# KiCad board ergodonk_simple_0.kicad_pcb
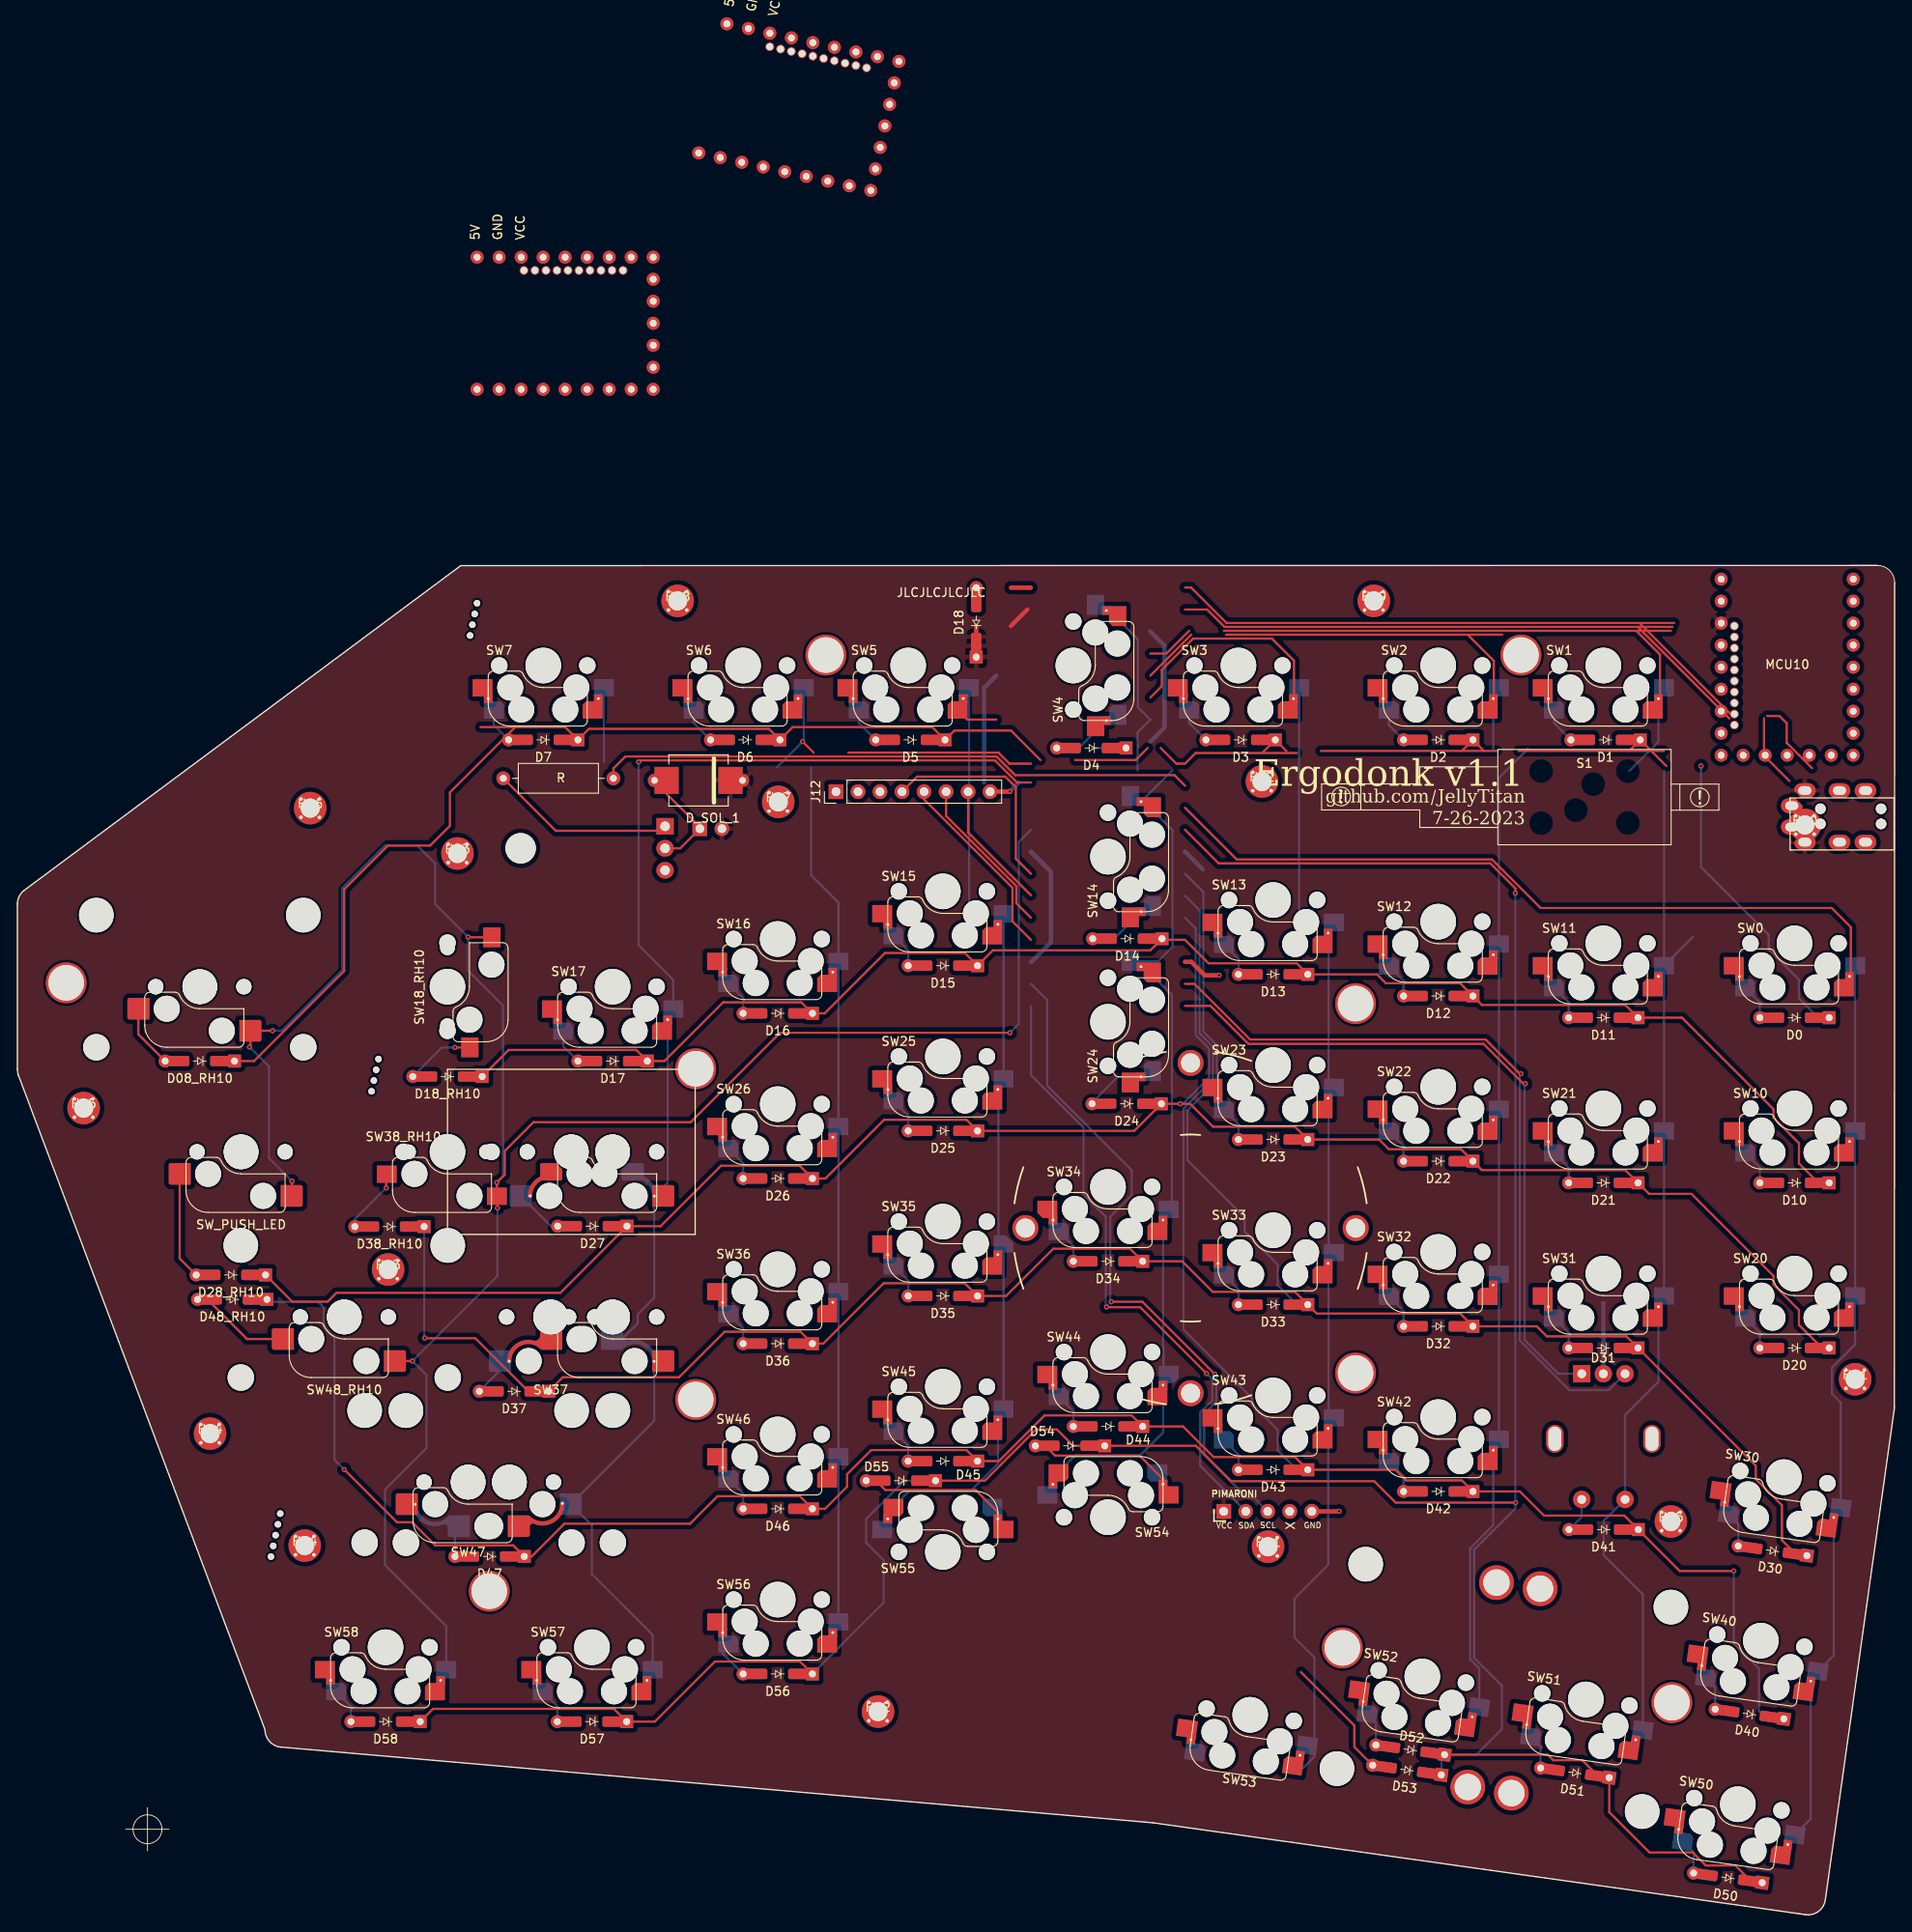
[diagram p0: board, top side]
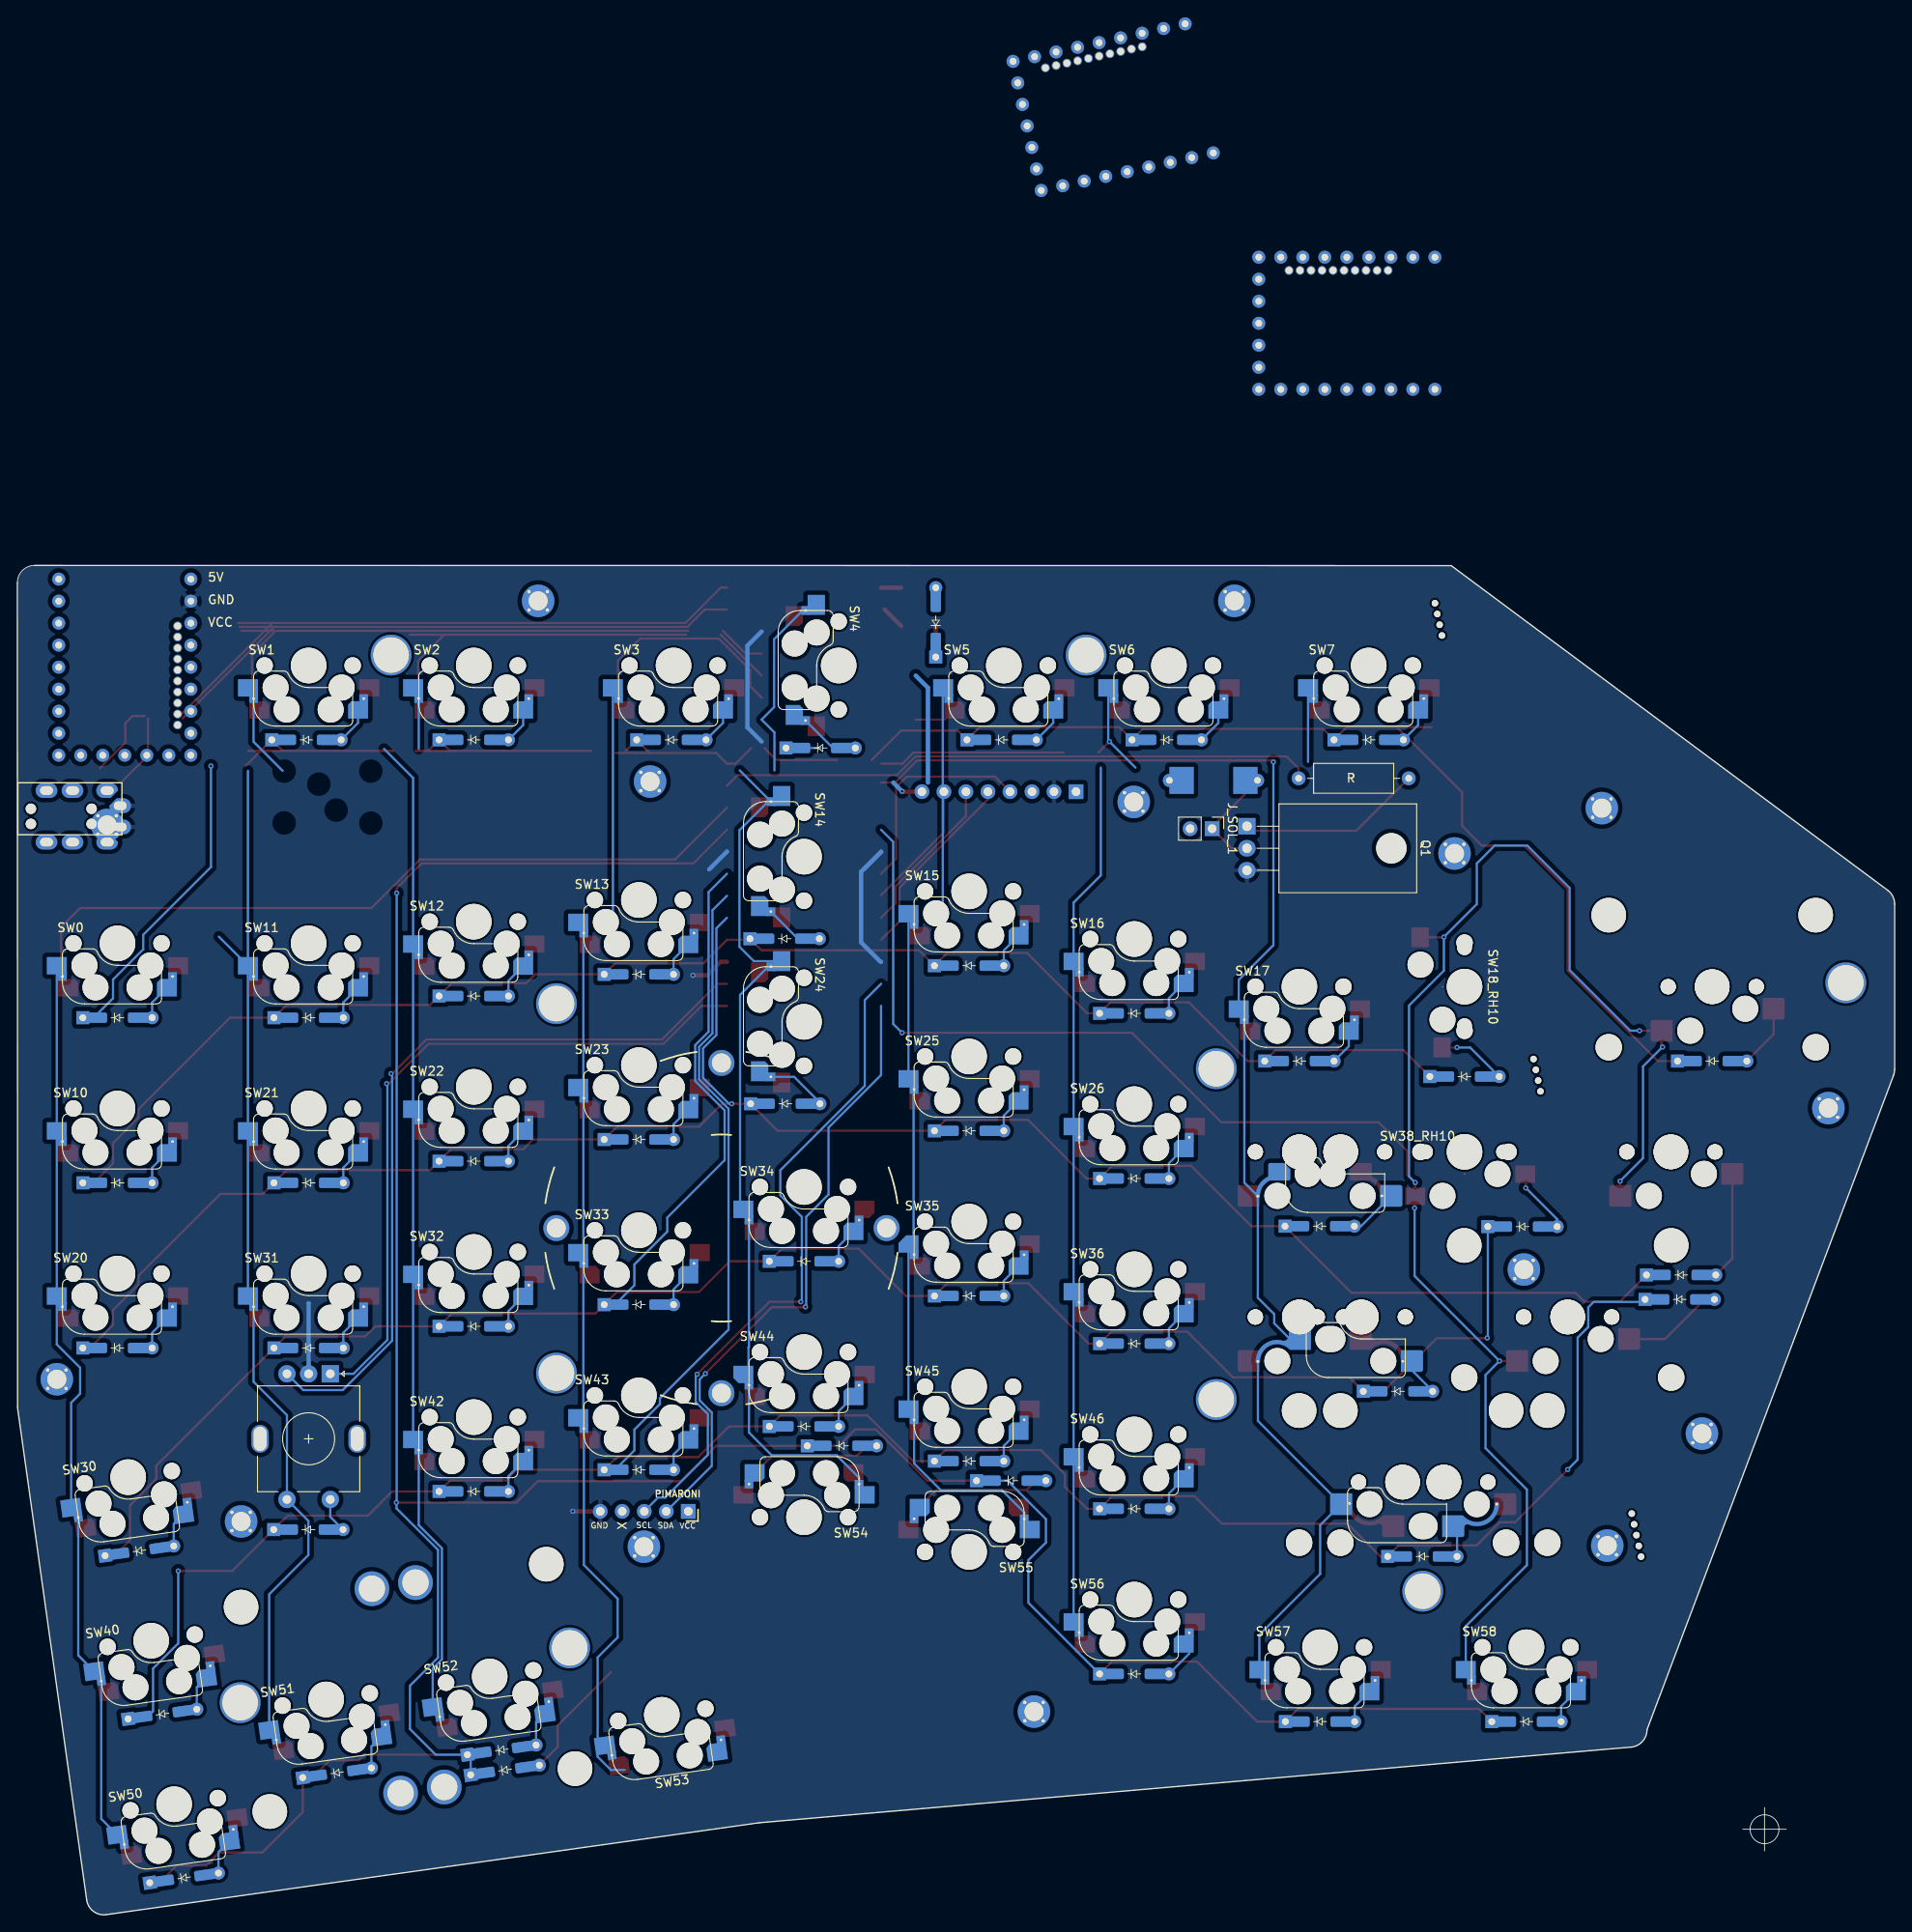
[diagram p1: board, bottom side, seen from below]

Outline 216.58 x 155.65 mm; copper layers: Top, Bottom. Coordinates in mm from the lower left corner of the outline.
Outline path: 216.55,58.57 arc(216.55,58.43) 216.53,58.29 208.58,1.7 arc(207.8,0.38) 206.32,0 130.98,10.6 30.4,19.33 arc(29.1,19.97) 28.58,21.32 0.13,96.82 arc(0.03,97.16) 0,97.52 0,116.57 arc(0.21,117.46) 0.8,118.17 51.16,155.62 214.58,155.65 arc(216,155.06) 216.58,153.65 216.55,58.57
Stack: Top 0.035mm / dielectric 1.51mm FR4 er 4.5 / Bottom 0.035mm

## Placement (name value [footprint] x y rotation side)
D0  D  [D_SOD-123_DO-35_Hybrid_DoubleSided]  205.02 103.47 180 top
D1  D  [D_SOD-123_DO-35_Hybrid_DoubleSided]  183.23 135.52 180 top
D2  D  [D_SOD-123_DO-35_Hybrid_DoubleSided]  163.93 135.52 180 top
D3  D  [D_SOD-123_DO-35_Hybrid_DoubleSided]  141.12 135.52 180 top
D4  D  [D_SOD-123_DO-35_Hybrid_DoubleSided]  123.9 134.58 180 top
D5  D  [D_SOD-123_DO-35_Hybrid_DoubleSided]  103.02 135.52 180 top
D6  D  [D_SOD-123_DO-35_Hybrid_DoubleSided]  83.97 135.52 180 top
D7  D  [D_SOD-123_DO-35_Hybrid_DoubleSided]  60.67 135.52 180 top
D08_RH10  D  [D_SOD-123_DO-35_Hybrid_DoubleSided]  21.05 98.47 180 top
D10  D  [D_SOD-123_DO-35_Hybrid_DoubleSided]  205.02 84.42 180 top
D11  D  [D_SOD-123_DO-35_Hybrid_DoubleSided]  182.98 103.47 180 top
D12  D  [D_SOD-123_DO-35_Hybrid_DoubleSided]  163.93 105.97 180 top
D13  D  [D_SOD-123_DO-35_Hybrid_DoubleSided]  144.88 108.47 180 top
D14  D  [D_SOD-123_DO-35_Hybrid_DoubleSided]  128.06 112.58 180 top
D15  D  [D_SOD-123_DO-35_Hybrid_DoubleSided]  106.77 109.47 180 top
D16  D  [D_SOD-123_DO-35_Hybrid_DoubleSided]  87.72 103.97 180 top
D17  D  [D_SOD-123_DO-35_Hybrid_DoubleSided]  68.67 98.47 180 top
D18  D  [D_SOD-123_DO-35_Hybrid_DoubleSided]  110.62 149.07 90 top
D18_RH10  D  [D_SOD-123_DO-35_Hybrid_DoubleSided]  49.62 96.68 180 top
D20  D  [D_SOD-123_DO-35_Hybrid_DoubleSided]  205.02 65.37 180 top
D21  D  [D_SOD-123_DO-35_Hybrid_DoubleSided]  182.98 84.42 180 top
D22  D  [D_SOD-123_DO-35_Hybrid_DoubleSided]  163.93 86.92 180 top
D23  D  [D_SOD-123_DO-35_Hybrid_DoubleSided]  144.88 89.42 180 top
D24  D  [D_SOD-123_DO-35_Hybrid_DoubleSided]  127.98 93.54 180 top
D25  D  [D_SOD-123_DO-35_Hybrid_DoubleSided]  106.77 90.42 180 top
D26  D  [D_SOD-123_DO-35_Hybrid_DoubleSided]  87.72 84.92 180 top
D27  D  [D_SOD-123_DO-35_Hybrid_DoubleSided]  66.33 79.42 180 top
D28_RH10  D  [D_SOD-123_DO-35_Hybrid_DoubleSided]  24.63 73.79 180 top
D30  D  [D_SOD-123_DO-35_Hybrid_DoubleSided]  202.5 41.97 172 top
D31  D  [D_SOD-123_DO-35_Hybrid_DoubleSided]  182.98 65.37 180 top
D32  D  [D_SOD-123_DO-35_Hybrid_DoubleSided]  163.93 67.87 180 top
D33  D  [D_SOD-123_DO-35_Hybrid_DoubleSided]  144.88 70.37 180 top
D34  D  [D_SOD-123_DO-35_Hybrid_DoubleSided]  125.83 75.37 180 top
D35  D  [D_SOD-123_DO-35_Hybrid_DoubleSided]  106.77 71.37 180 top
D36  D  [D_SOD-123_DO-35_Hybrid_DoubleSided]  87.72 65.87 180 top
D37  D  [D_SOD-123_DO-35_Hybrid_DoubleSided]  57.3 60.37 180 top
D38_RH10  D  [D_SOD-123_DO-35_Hybrid_DoubleSided]  42.94 79.37 180 top
D40  D  [D_SOD-123_DO-35_Hybrid_DoubleSided]  199.83 23.14 172 top
D41  D  [D_SOD-123_DO-35_Hybrid_DoubleSided]  183 44.42 180 top
D42  D  [D_SOD-123_DO-35_Hybrid_DoubleSided]  163.93 48.82 180 top
D43  D  [D_SOD-123_DO-35_Hybrid_DoubleSided]  144.88 51.32 180 top
D44  D  [D_SOD-123_DO-35_Hybrid_DoubleSided]  125.83 56.32 180 top
D45  D  [D_SOD-123_DO-35_Hybrid_DoubleSided]  106.77 52.32 180 top
D46  D  [D_SOD-123_DO-35_Hybrid_DoubleSided]  87.72 46.82 180 top
D47  D  [D_SOD-123_DO-35_Hybrid_DoubleSided]  54.48 41.32 180 top
D48_RH10  D  [D_SOD-123_DO-35_Hybrid_DoubleSided]  24.8 70.97 180 top
D50  D  [D_SOD-123_DO-35_Hybrid_DoubleSided]  197.34 4.24 172 top
D51  D  [D_SOD-123_DO-35_Hybrid_DoubleSided]  179.69 16.36 172 top
D52  D  [D_SOD-123_DO-35_Hybrid_DoubleSided]  160.69 19.01 172 top
D53  D  [D_SOD-123_DO-35_Hybrid_DoubleSided]  160.32 16.68 172 top
D54  D  [D_SOD-123_DO-35_Hybrid_DoubleSided]  121.45 54.08 180 top
D55  D  [D_SOD-123_DO-35_Hybrid_DoubleSided]  101.92 50.06 180 top
D56  D  [D_SOD-123_DO-35_Hybrid_DoubleSided]  87.72 27.77 180 top
D57  D  [D_SOD-123_DO-35_Hybrid_DoubleSided]  66.29 22.27 180 top
D58  D  [D_SOD-123_DO-35_Hybrid_DoubleSided]  42.48 22.27 180 top
D_SOL_1  MUR340S  [MUR340S_IN4001_TH_HYBRID]  78.58 130.84 180 top
H1  MountingHole  [Hole from sofle for M2 posts gold rimmer]  154.38 105.09 180 top
H2  MountingHole  [Hole from sofle for M2 posts gold rimmer]  154.38 62.47 0 top
H3  MountingHole  [Hole from sofle for M2 posts gold rimmer]  78.27 59.42 0 top
H4  MountingHole  [Hole from sofle for M2 posts gold rimmer]  78.27 97.58 0 top
H5  MountingHole  [Hole from sofle for M2 posts gold rimmer]  190.88 24.45 0 top
H6  MountingHole  [Hole from sofle for M2 posts gold rimmer]  173.46 145.3 0 top
H7  MountingHole  [Hole from sofle for M2 posts gold rimmer]  93.27 145.3 0 top
H8  MountingHole  [Hole from sofle for M2 posts gold rimmer]  5.63 107.49 0 top
H9  MountingHole  [Hole from sofle for M2 posts gold rimmer]  54.44 37.31 0 top
H10  MountingHole  [Hole from sofle for M2 posts gold rimmer]  152.87 30.77 0 top
H11  MountingHole  [M2_Hole_fancy_for_bolt-on-plate]  144.3 42.44 0 top
H12  MountingHole  [M2_Hole_fancy_for_bolt-on-plate]  99.29 23.42 0 top
H13  MountingHole  [M2_Hole_fancy_for_bolt-on-plate]  42.77 74.42 0 top
H14  MountingHole  [M2_Hole_fancy_for_bolt-on-plate]  22.23 55.49 0 top
H15  MountingHole  [M2_Hole_fancy_for_bolt-on-plate]  7.65 93.04 0 top
H16  MountingHole  [M2_Hole_fancy_for_bolt-on-plate]  33.79 127.64 0 top
H17  MountingHole  [M2_Hole_fancy_for_bolt-on-plate]  87.78 128.36 0 top
H18  MountingHole  [M2_Hole_fancy_for_bolt-on-plate]  76.17 151.55 0 top
H19  MountingHole  [M2_Hole_fancy_for_bolt-on-plate]  156.5 151.55 0 top
H20  MountingHole  [M2_Hole_fancy_for_bolt-on-plate]  206.22 125.7 0 top
H21  MountingHole  [M2_Hole_fancy_for_bolt-on-plate]  212.02 61.76 0 top
H22  MountingHole  [M2_Hole_fancy_for_bolt-on-plate]  143.58 130.71 0 top
H23  MountingHole  [M2_Hole_fancy_for_bolt-on-plate]  50.77 122.41 0 top
H24  MountingHole  [M2_Hole_fancy_for_bolt-on-plate]  33.16 42.57 0 top
H25  MountingHole  [M2_Hole_fancy_for_bolt-on-plate]  190.76 45.35 0 top
J10  Pimaroni Trackball  [Pimaroni_PinHeader_1x05_P2.54mm_Vertical Sofle v3b]  139.18 46.52 90 top
J11  4PIN  [MJ-4PP-9_CANTOR_KITCHEN_SINK]  216.51 125.82 270 top
J12  Conn_01x08_Socket  [PinHeader_1x08_P2.54mm_Vertical]  94.45 129.54 90 top
J_SOL_1  Conn_01x02_Female  [PinHeader_1x02_P2.54mm_Vertical]  78.74 125.27 270 bottom
MCU10  rp2040-zero  [rp2040 Zero DS]  204.19 143.71 0 top
NOREF  -  [39367019-bb4e-49d1-b84f-72ef74cff27d]  63.2 174.58 90 top
NOREF#2  -  [39367019-bb4e-49d1-b84f-72ef74cff27d]  88.24 199.71 77.7 top
Q1  TIP120  [TO-220-3_Horizontal_TabDown]  74.72 125.55 270 bottom
R2  1k  [R_Axial_DIN0309_L9.0mm_D3.2mm_P12.70mm_Horizontal]  56.06 131.08 0 bottom
REF**  mousebites 1mm  [mousebites_1mm_4up]  52.63 149.42 347.8 top
REF**#2  mousebites 1mm  [mousebites_1mm_4up]  41.26 96.84 347.8 top
REF**#3  Tenting Puck  [Tenting_Puck.kicad_mod_nocenter]  135.35 79.2 0 top
REF**#4  -  [STAB_MX_P_2u]  162.07 27.49 262 top
REF**#5  mousebites 1mm  [mousebites_1mm_5up]  29.79 43.78 347.8 top
REF**#6  -  [STAB_MX_P_2u]  180.94 24.84 82 top
S1  Solenoid  [uxcell a14092600ux0438 solenoid]  180.8 128.91 0 top
SW0  SW_PUSH_LED  [Cherry_MX_DS_Hotswap_1U_sofle3b v3]  205.02 112.05 180 top
SW1  SW_PUSH_LED  [Cherry_MX_DS_Hotswap_1U_sofle3b v3]  182.98 144.1 180 top
SW2  SW_PUSH_LED  [Cherry_MX_DS_Hotswap_1U_sofle3b v3]  163.93 144.1 180 top
SW3  SW_PUSH_LED  [Cherry_MX_DS_Hotswap_1U_sofle3b v3]  140.88 144.1 180 top
SW4  SW_PUSH_LED  [Cherry_MX_DS_Hotswap_1U_sofle3b v3]  121.83 144.1 270 top
SW5  SW_PUSH_LED  [Cherry_MX_DS_Hotswap_1U_sofle3b v3]  102.77 144.1 180 top
SW6  SW_PUSH_LED  [Cherry_MX_DS_Hotswap_1U_sofle3b v3]  83.72 144.1 180 top
SW7  SW_PUSH_LED  [Cherry_MX_DS_Hotswap_1U_sofle3b v3]  60.67 144.1 180 top
SW08_RH10  SW_PUSH_LED  [V2_CherryMX_DoubleSided_Hotswap_miniE_2u_RH_ONLY]  21.05 107.05 0 top
SW10  SW_PUSH_LED  [Cherry_MX_DS_Hotswap_1U_sofle3b v3]  205.02 93 180 top
SW11  SW_PUSH_LED  [Cherry_MX_DS_Hotswap_1U_sofle3b v3]  182.98 112.05 180 top
SW12  SW_PUSH_LED  [Cherry_MX_DS_Hotswap_1U_sofle3b v3]  163.93 114.55 180 top
SW13  SW_PUSH_LED  [Cherry_MX_DS_Hotswap_1U_sofle3b v3]  144.88 117.05 180 top
SW14  SW_PUSH_LED  [Cherry_MX_DS_Hotswap_1U_sofle3b v3]  125.83 122.05 270 top
SW15  SW_PUSH_LED  [Cherry_MX_DS_Hotswap_1U_sofle3b v3]  106.77 118.05 180 top
SW16  SW_PUSH_LED  [Cherry_MX_DS_Hotswap_1U_sofle3b v3]  87.72 112.55 180 top
SW17  SW_PUSH_LED  [Cherry_MX_DS_Hotswap_1U_sofle3b v3]  68.67 107.05 180 top
SW18_RH10  SW_PUSH_LED  [Cherry_MX_DS_Hotswap_1U_oneside]  49.62 107.05 270 top
SW20  SW_PUSH_LED  [Cherry_MX_DS_Hotswap_1U_sofle3b v3]  205.02 73.95 180 top
SW21  SW_PUSH_LED  [Cherry_MX_DS_Hotswap_1U_sofle3b v3]  182.98 93 180 top
SW22  SW_PUSH_LED  [Cherry_MX_DS_Hotswap_1U_sofle3b v3]  163.93 95.5 180 top
SW23  SW_PUSH_LED  [Cherry_MX_DS_Hotswap_1U_sofle3b v3]  144.88 98 180 top
SW24  SW_PUSH_LED  [Cherry_MX_DS_Hotswap_1U_sofle3b v3]  125.83 103 270 top
SW25  SW_PUSH_LED  [Cherry_MX_DS_Hotswap_1U_sofle3b v3]  106.77 99 180 top
SW26  SW_PUSH_LED  [Cherry_MX_DS_Hotswap_1U_sofle3b v3]  87.72 93.5 180 top
SW27  SW_PUSH_LED  [V2_CherryMX_DoubleSided_Hotswap_miniE_1.5u_LH_1u_RH]  63.91 88 0 top
SW28_RH10  SW_PUSH_LED  [V2_CherryMX_DoubleSided_Hotswap_miniE_1.5u_RH_ONLY]  25.81 88 0 top
SW30  SW_PUSH_LED  [Cherry_MX_DS_Hotswap_1U_sofle3b v3]  203.79 50.47 172 top
SW31  SW_PUSH_LED  [Cherry_MX_DS_Hotswap_1U_sofle3b v3]  182.98 73.95 180 top
SW32  SW_PUSH_LED  [Cherry_MX_DS_Hotswap_1U_sofle3b v3]  163.93 76.45 180 top
SW33  SW_PUSH_LED  [Cherry_MX_DS_Hotswap_1U_sofle3b v3]  144.88 78.95 180 top
SW34  SW_PUSH_LED  [Cherry_MX_DS_Hotswap_1U_sofle3b v3#2]  125.83 83.95 180 top
SW35  SW_PUSH_LED  [Cherry_MX_DS_Hotswap_1U_sofle3b v3#3]  106.77 79.95 180 top
SW36  SW_PUSH_LED  [Cherry_MX_DS_Hotswap_1U_sofle3b v3]  87.72 74.45 180 top
SW37  SW_PUSH_LED  [V2_CherryMX_DoubleSided_Hotswap_miniE_1.75u_LH_1u_RH]  61.53 68.95 0 top
SW38_RH10  SW_PUSH_LED  [Cherry_MX_DS_Hotswap_1U_oneside]  49.62 88 180 top
SW40  SW_PUSH_LED  [Cherry_MX_DS_Hotswap_1U_sofle3b v3]  201.14 31.6 172 top
SW42  SW_PUSH_LED  [Cherry_MX_DS_Hotswap_1U_sofle3b v3]  163.93 57.4 180 top
SW43  SW_PUSH_LED  [Cherry_MX_DS_Hotswap_1U_sofle3b v3]  144.88 59.9 180 top
SW44  SW_PUSH_LED  [Cherry_MX_DS_Hotswap_1U_sofle3b v3#3]  125.83 64.9 180 top
SW45  SW_PUSH_LED  [Cherry_MX_DS_Hotswap_1U_sofle3b v3]  106.77 60.9 180 top
SW46  SW_PUSH_LED  [Cherry_MX_DS_Hotswap_1U_sofle3b v3]  87.72 55.4 180 top
SW47  SW_PUSH_LED  [V2_CherryMX_DoubleSided_Hotswap_miniE_2.25u_LH_2.75u_RH]  52.01 50.22 0 top
SW48_RH10  SW_PUSH_LED  [V2_CherryMX_DoubleSided_Hotswap_miniE_2.25u_RH_ONLY]  37.72 68.95 0 top
SW50  SW_PUSH_LED  [Cherry_MX_DS_Hotswap_1U_sofle3b v3]  198.49 12.74 172 top
SW51  SW_PUSH_LED  [Cherry_MX_DS_Hotswap_1U_sofle3b v3]  180.95 24.82 172 top
SW52  SW_PUSH_LED  [Cherry_MX_DS_Hotswap_1U_sofle3b v3]  162.09 27.47 172 top
SW53  SW_PUSH_LED  [Cherry_MX_DS_Hotswap_1U_sofle3b v3]  142.23 23.05 352 bottom
SW54  SW_PUSH_LED  [Cherry_MX_DS_Hotswap_1U_sofle3b v3]  125.83 45.85 0 top
SW55  SW_PUSH_LED  [Cherry_MX_DS_Hotswap_1U_sofle3b v3]  106.77 41.85 0 top
SW56  SW_PUSH_LED  [Cherry_MX_DS_Hotswap_1U_sofle3b v3]  87.72 36.35 180 top
SW57  SW_PUSH_LED  [Cherry_MX_DS_Hotswap_1U_sofle3b v3]  66.29 30.85 180 top